# Altium PCB KPBT.758724.006.PcbDoc
Units mm, origin at the board's own origin, x right, y up, seen from the top; angles counter-clockwise.
Board outline 70 x 80 mm, 2 copper layers (Top Layer, Top, Bottom Layer, Bottom), stack 1.57 mm thick; 125 components, 71 nets, 356 pads, 52 vias.
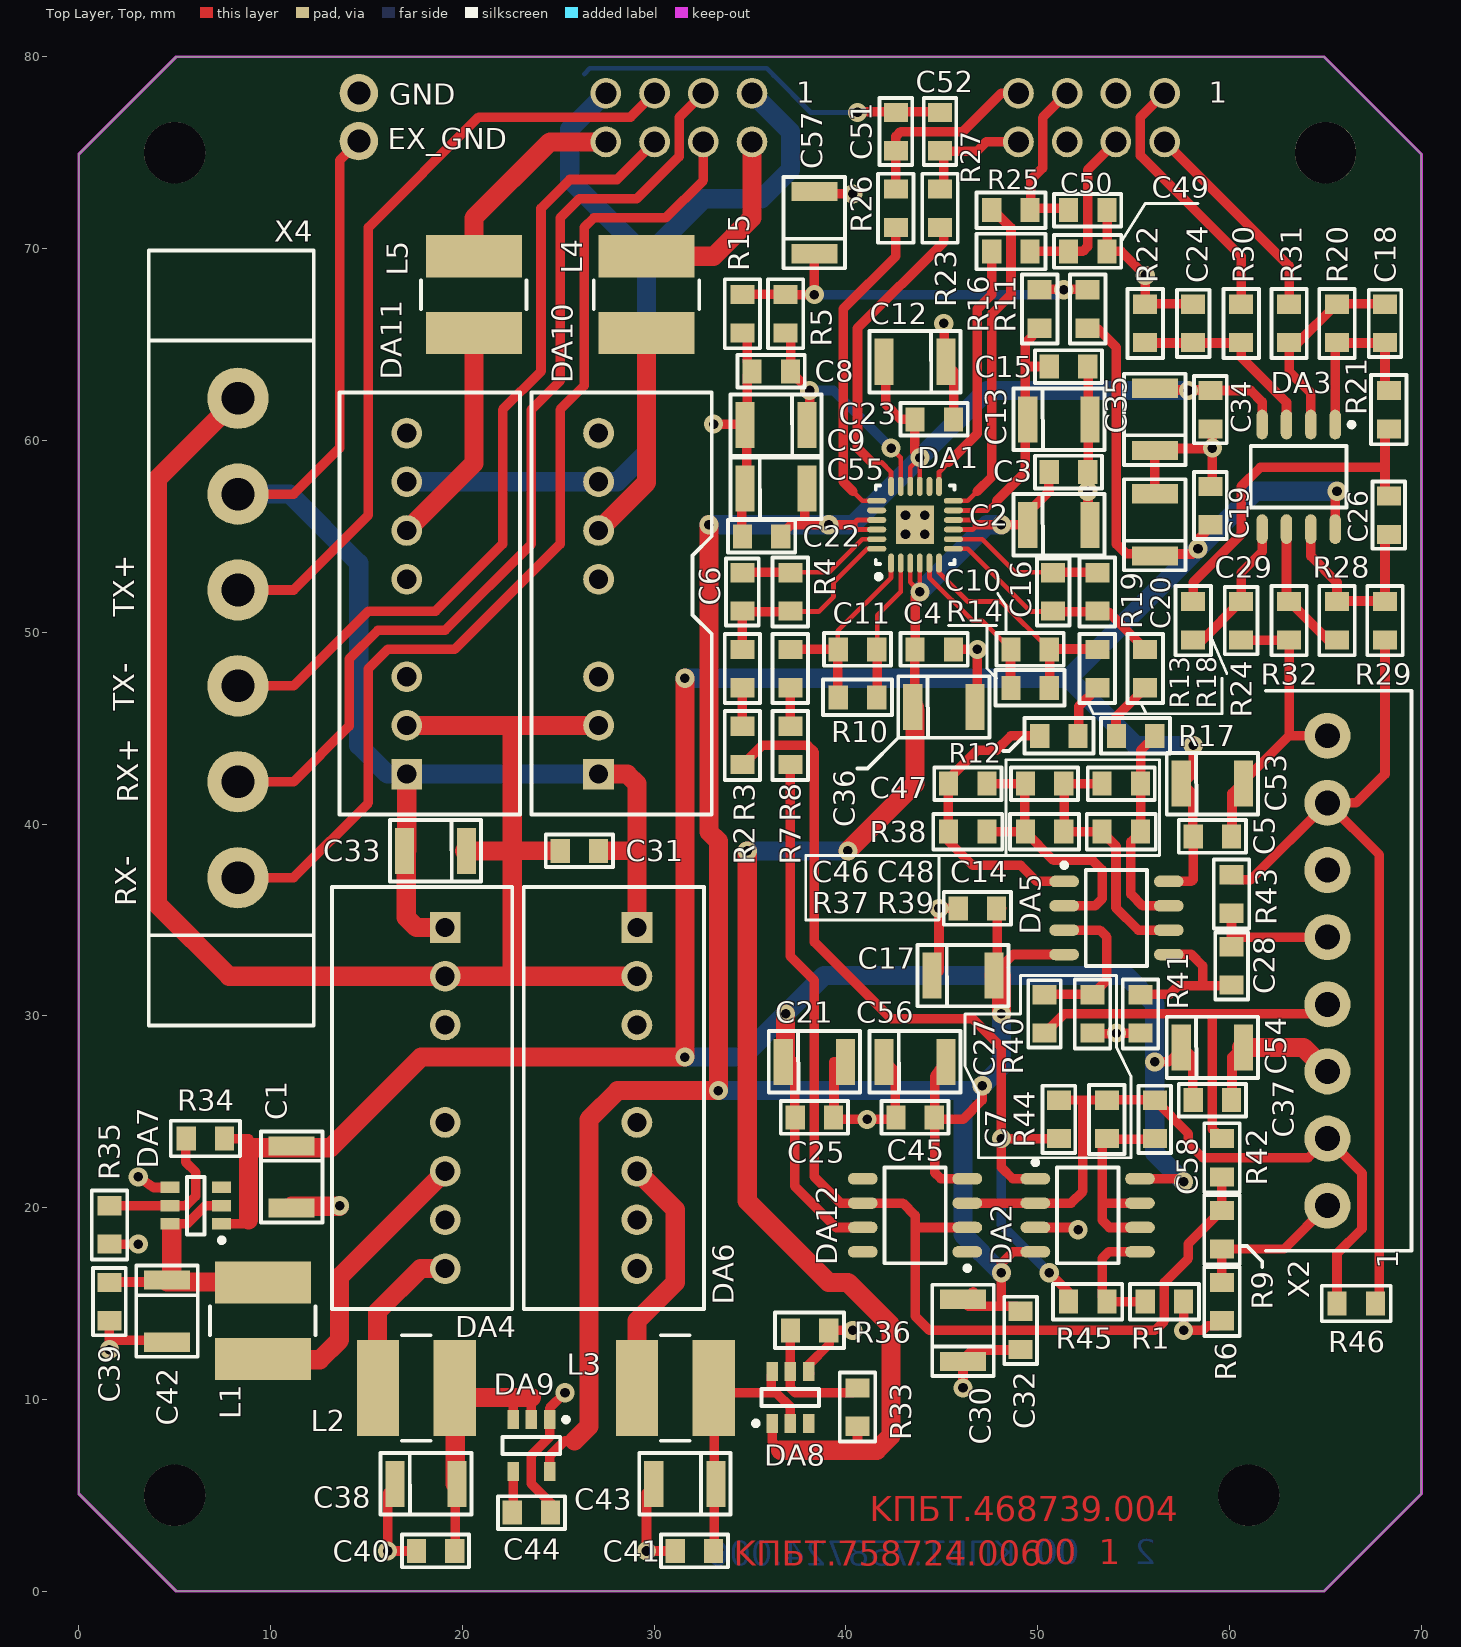
[diagram p0: Top Layer, Top view]
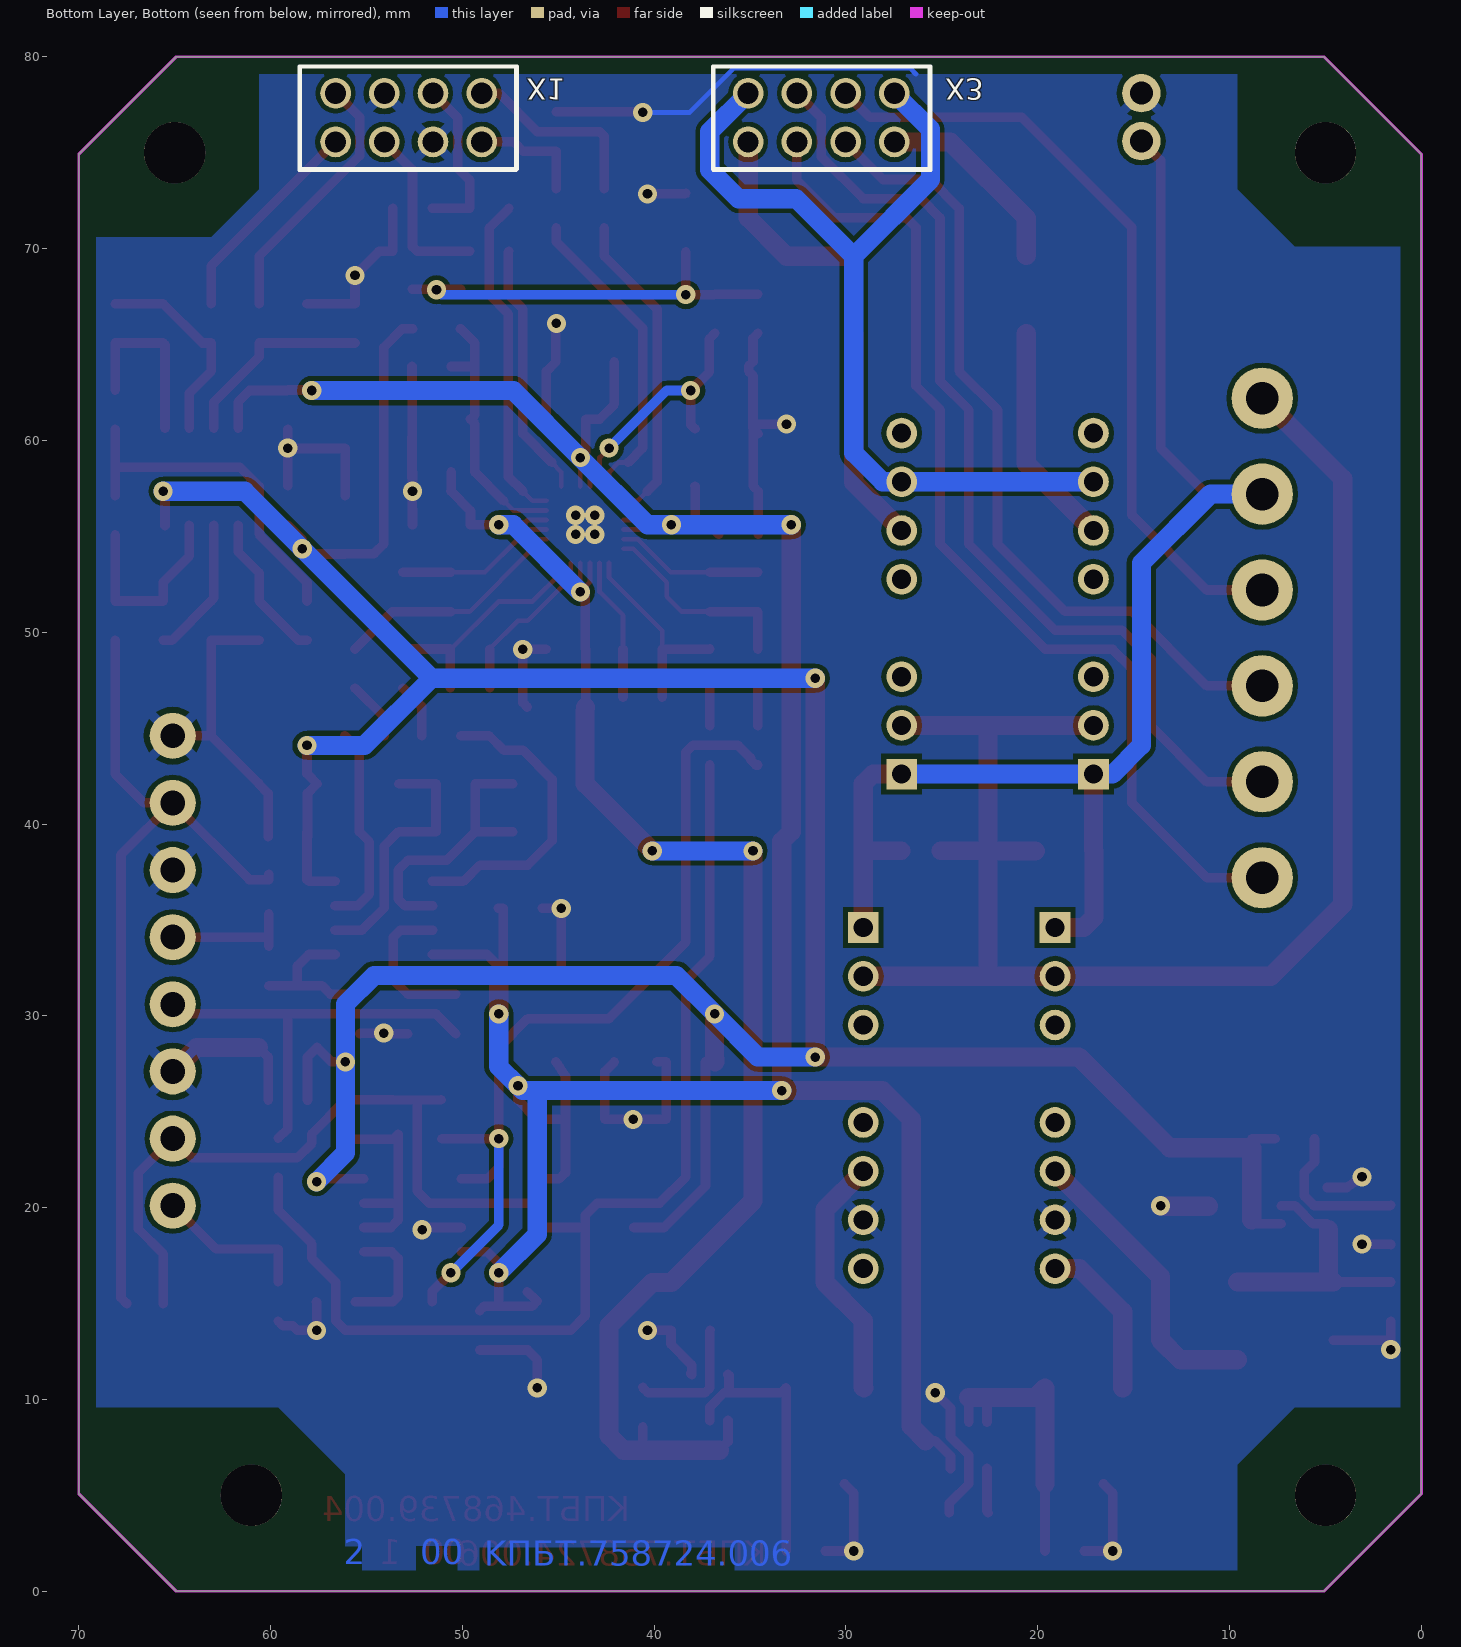
[diagram p1: Bottom Layer, Bottom view, seen from below]
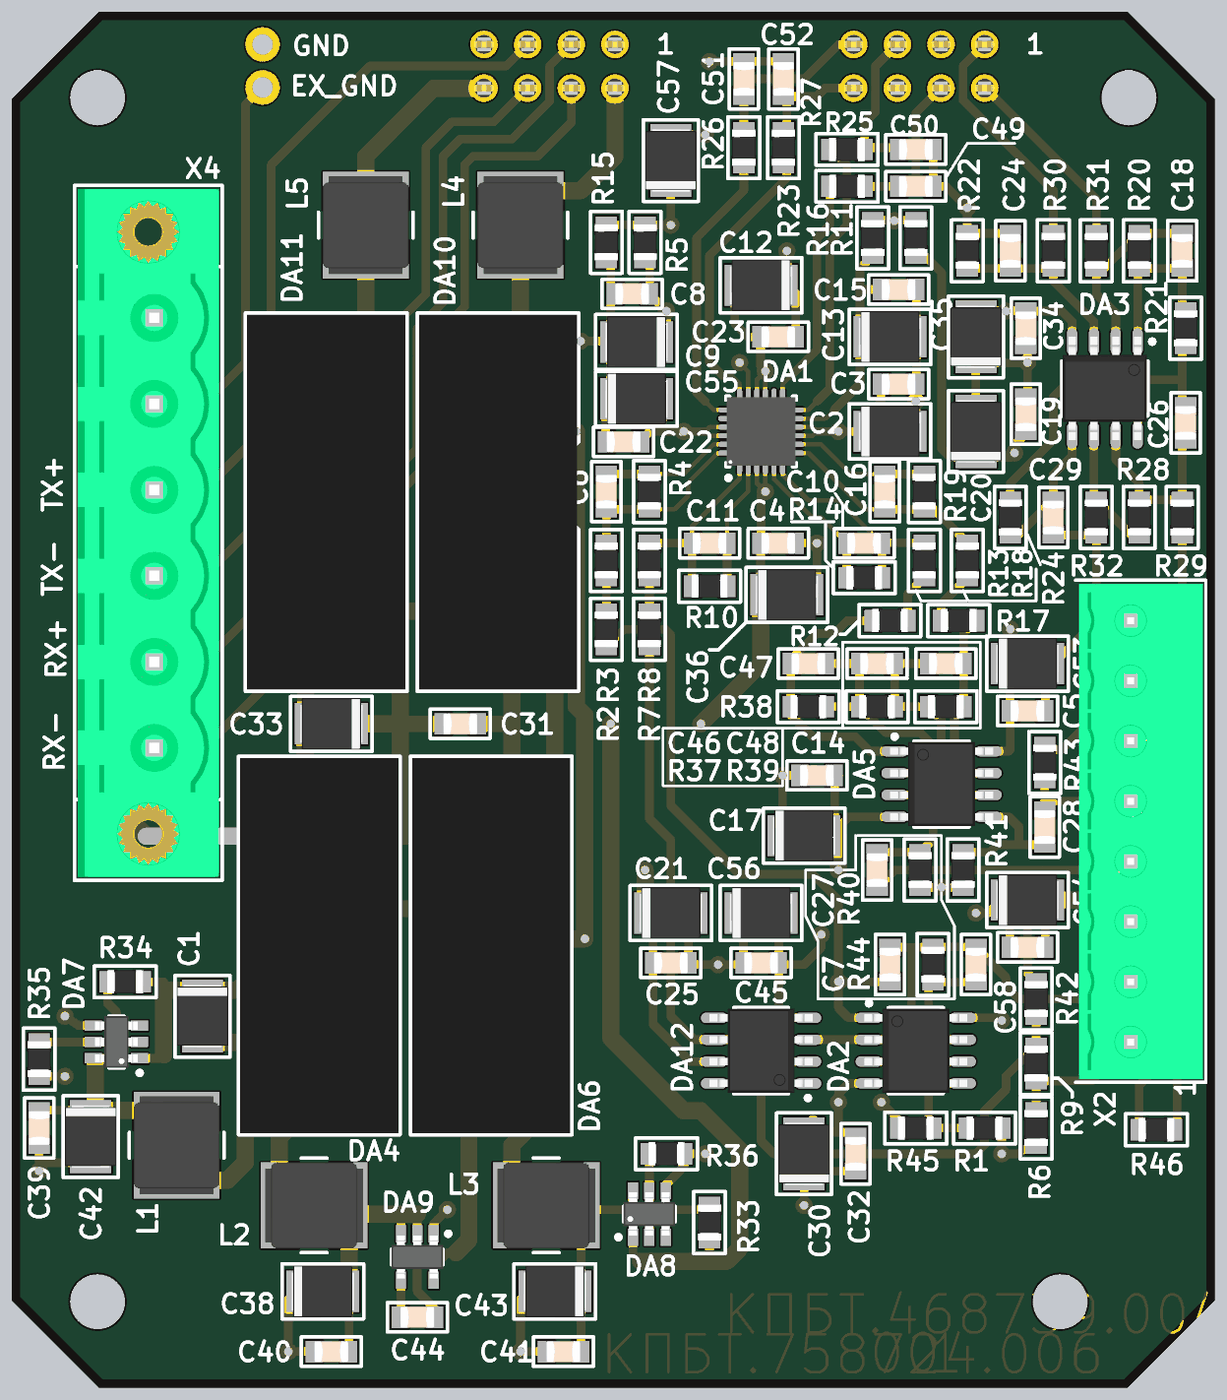
[diagram p2: 3D render of the assembled board from above, using the file's embedded part models]

## Layer stack, top to bottom
Top Solder, Top Mask: solder mask 0.01, Solder Resist, Dk 3.5
Top Layer, Top: signal copper 0.035
Dielectric 1: dielectric 1.5, FR-4, Dk 4.8
Bottom Layer, Bottom: signal copper 0.035
Bottom Solder, Bot Mask: solder mask 0.01, Solder Resist, Dk 3.5

## Board outline
0,5.08 0,74.92 5.08,80 64.92,80 70,74.92 70,5.08 64.92,0 5.08,0

## Design rules (kind name [scope] priority, off if disabled: settings)
Clearance Clearance_1 [InComponent('DA1')] p1: gap=0.25 ignorepadtopadclearanceinfootprint=FALSE except(0: Arc-Via Arc-Hole Track-Via Track-Hole SMDPad-Via SMDPad-Hole THPad-THPad THPad-Via THPad-Hole Via-Via Via-Hole Fill-Hole Poly-Hole Region-Hole Text-Hole; 0.2: Arc-Arc Arc-Track Arc-SMDPad Arc-THPad Track-Track Track-SMDPad Track-THPad SMDPad-SMDPad)
Clearance [All] p2: gap=0.25 ignorepadtopadclearanceinfootprint=FALSE except(0: Arc-Hole Track-Hole SMDPad-Hole THPad-Hole Via-Hole Fill-Hole Poly-Hole Region-Hole Text-Hole; 0.2: Arc-Arc Arc-Track Arc-THPad Arc-Via Track-Track Track-THPad Track-Via THPad-THPad THPad-Via Via-Via)
HoleSize [All] p1: absolutevalues=TRUE maxlimit=3.4 minlimit=0.025 maxpercent=80.000 minpercent=20.000
HoleToHoleClearance [All] p1: gap=0.2 allowstackedmicrovias=TRUE
MinimumSolderMaskSliver [All] p1: minsoldermaskwidth=0
PlaneClearance [All] p1: clearance=0.05
PolygonConnect PolygonConnect_2 [IsPolygon And InNet('GND') And OnLayer('Bottom Layer, Bottom') vs IsVia] p1: connectstyle=Direct reliefconductorwidth=0.25 reliefentries=4 polygonreliefangle="90 Angle" airgapwidth=0.254
PolygonConnect PolygonConnect_1 [IsPolygon And InNet('GND') And OnLayer('Bottom Layer, Bottom') vs IsPad] p2: connectstyle=Relief reliefconductorwidth=0.5 reliefentries=4 polygonreliefangle="45 Angle" airgapwidth=0.3
PolygonConnect [All] p3: connectstyle=Relief reliefconductorwidth=0.25 reliefentries=4 polygonreliefangle="90 Angle" airgapwidth=0.3
RoutingVias [All] p1: holewidth=0.5 width=1 viastyle="Through Hole" minholewidth=0.4 minwidth=0.8 maxholewidth=0.7 maxwidth=1.27
SilkToSilkClearance SilkToSilkClearance_1 [InComponent('R13') and InComponent('R18') and  InComponent('R24') and   InComponent('R25') and InComponent('R27') and InComponent('C50') and InComponent('C26') and InComponent('X1')] p1: silktosilkclearance=0
SilkToSilkClearance [All] p2: silktosilkclearance=0.01
SilkToSolderMaskClearance [All] p1: minsilkscreentomaskgap=0 clearancetoexposedcopper=TRUE
SolderMaskExpansion [All] p1: expansion=0.1 istentingtop=FALSE
Width [All] p1: maxlimit=1 minlimit=0.25 preferedwidth=0.5
24 further rules are at their usual default settings.

## Classes and differential pairs
component class Sheet2: C1 C2 C3 C4 C5 C6 C7 C8 C9 C10 C11 C12 C13 C14 C15 C16 C17 C18 C19 C20 C21 C22 C23 C24 C25 C26 C27 C28 C29 C30 C32 C34 C35 C36 C37 C45 C46 C47 C48 C49 C50 C51 C52 C53 C54 C55 C56 C57 C58 DA1 DA2 DA3 DA5 DA12 R1 R2 R3 R4 R5 R6 R7 R8 R9 R10 R11 R12 R13 R14 R15 R16 R17 R18 R19 R20 R21 R22 R23 R24 R25 R26 R27 R28 R29 R30 R31 R32 R37 R38 R39 R40 R41 R42 R43 R44 R45 R46 X2
component class Sheet1: C31 C33 C38 C39 C40 C41 C42 C43 C44 DA4 DA6 DA7 DA8 DA9 DA10 DA11 L1 L2 L3 L4 L5 R33 R34 R35 R36 X1 X3 X4

## Components (designator, comment, footprint, x,y, rotation, side; value= is the part's Value field where it differs from the comment)
C1 "=Value" "CAPT: tepy B" 11.1,21.6 r270 top
C2 "=Value" "CAPT: tepy B" 51.1,55.6 r0 top
C3 "" CAP:0805 51.6,58.35 r180 top
C4 "" CAP:0805 44.6,49.1 r180 top
C5 "" CAP:0805 59.1,39.35 r180 top
C6 "" CAP:0805 34.6,52.1 r270 top
C7 "" CAP:0805 51.1,24.6 r90 top
C8 "" CAP:0805 36.1,63.6 r0 top
C9 "=Value" "CAPT: tepy B" 36.35,60.8 r180 top
C10 "" CAP:0805 49.6,49.1 r0 top
C11 "" CAP:0805 40.6,49.1 r180 top
C12 "=Value" "CAPT: tepy B" 43.6,64.1 r180 top
C13 "=Value" "CAPT: tepy B" 51.1,61.1 r0 top
C14 "" CAP:0805 46.85,35.6 r180 top
C15 "" CAP:0805 51.6,63.85 r0 top
C16 "" CAP:0805 50.8,52.1 r90 top
C17 "=Value" "CAPT: tepy B" 46.1,32.1 r0 top
C18 "" CAP:0805 68.1,66.1 r90 top
C19 "" CAP:0805 59,56.6 r270 top
C20 "=Value" "CAPT: tepy B" 56.1,55.6 r90 top
C21 "=Value" "CAPT: tepy B" 38.35,27.6 r0 top
C22 "" CAP:0805 35.6,55 r180 top
C23 "" CAP:0805 44.6,61.1 r0 top
C24 "" CAP:0805 58.1,66.1 r90 top
C25 "" CAP:0805 38.35,24.7 r180 top
C26 "" CAP:0805 68.3,56.1 r90 top
C27 "" CAP:0805 50.35,30.1 r270 top
C28 "" CAP:0805 60.1,32.6 r90 top
C29 "" CAP:0805 60.6,50.6 r270 top
C30 "=Value" "CAPT: tepy B" 46.1,13.6 r90 top
C31 "" CAP:0805 26.1,38.6 r0 top
C32 "" CAP:0805 49.1,13.6 r270 top
C33 "=Value" "CAPT: tepy B" 18.6,38.6 r180 top
C34 "" CAP:0805 59,61.6 r270 top
C35 "=Value" "CAPT: tepy B" 56.1,61.1 r90 top
C36 "=Value" "CAPT: tepy B" 45.1,46.1 r0 top
C37 "" CAP:0805 59.1,25.6 r180 top
C38 "=Value" "CAPT: tepy B" 18.1,5.6 r0 top
C39 "" CAP:0805 1.6,15.1 r270 top
C40 "" CAP:0805 18.6,2.1 r0 top
C41 "" CAP:0805 32.1,2.1 r180 top
C42 "=Value" "CAPT: tepy B" 4.6,14.6 r270 top
C43 "=Value" "CAPT: tepy B" 31.6,5.6 r180 top
C44 "" CAP:0805 23.6,4.1 r0 top
C45 "" CAP:0805 43.6,24.7 r180 top
C46 "" CAP:0805 50.35,42.1 r0 top
C47 "" CAP:0805 46.35,42.1 r0 top
C48 "" CAP:0805 54.35,42.1 r0 top
C49 "" CAP:0805 52.6,69.85 r180 top
C50 "" CAP:0805 52.6,72 r0 top
C51 "" CAP:0805 42.6,76.1 r270 top
C52 "" CAP:0805 44.9,76.1 r90 top
C53 "=Value" "CAPT: tepy B" 59.1,42.1 r0 top
C54 "=Value" "CAPT: tepy B" 59.1,28.35 r0 top
C55 "=Value" "CAPT: tepy B" 36.35,57.5 r0 top
C56 "=Value" "CAPT: tepy B" 43.6,27.6 r0 top
C57 "=Value" "CAPT: tepy B" 38.35,71.35 r90 top
C58 "" CAP:0805 56.1,24.6 r90 top
DA1 "ADA4940-2ACPZ" LFCSP-24 43.6,55.6 r90 top
DA2 "ADA4891-2ARZ" SOIC-8 52.6,19.6 r0 top
DA3 "ADA4891-2ARZ" SOIC-8 63.6,58.1 r270 top
DA4 "AM2G1203DZ" SIP-8 19.1,25.71 r270 top
DA5 "ADA4891-2ARZ" SOIC-8 54.1,35.1 r0 top
DA6 "AM2G1205SZ" SIP-8 29.1,25.71 r270 top
DA7 "ADP3331ART" SOT23-6 6.1,20.1 r180 top
DA8 "ADP3331ART" SOT23-6 37.1,10.1 r90 top
DA9 "TPS72325DBVT" SOT23-5 23.6,7.6 r270 top
DA10 "AM2G1203SZ" SIP-8 27.1,51.49 r90 top
DA11 "AM2G1203SZ" SIP-8 17.1,51.49 r90 top
DA12 "ADA4891-1ARZ" SOIC-8 43.6,19.6 r180 top
L1 "" LQH55DNxxM03 9.6,14.1 r90 top
L2 "" LQH55DNxxM03 17.6,10.6 r0 top
L3 "" LQH55DNxxM03 31.1,10.6 r0 top
L4 "" LQH55DNxxM03 29.6,67.6 r90 top
L5 "" LQH55DNxxM03 20.6,67.6 r90 top
R1 "" RES:0805 56.6,15.1 r180 top
R2 "" RES:0805 34.6,44.1 r270 top
R3 "" RES:0805 34.6,48.1 r270 top
R4 "" RES:0805 37.1,52.1 r270 top
R5 "" RES:0805 36.85,66.6 r90 top
R6 "" RES:0805 59.6,15.1 r270 top
R7 "" RES:0805 37.1,44.1 r270 top
R8 "" RES:0805 37.1,48.1 r270 top
R9 "" RES:0805 59.6,18.85 r270 top
R10 "" RES:0805 40.6,46.6 r180 top
R11 "" RES:0805 52.6,66.85 r270 top
R12 "" RES:0805 51.1,44.6 r180 top
R13 "" RES:0805 53.1,48.1 r270 top
R14 "" RES:0805 49.6,47.1 r0 top
R15 "" RES:0805 34.6,66.6 r270 top
R16 "" RES:0805 50.1,66.85 r90 top
R17 "" RES:0805 55.1,44.6 r0 top
R18 "" RES:0805 55.6,48.1 r270 top
R19 "" RES:0805 53.1,52.1 r270 top
R20 "" RES:0805 65.6,66.1 r90 top
R21 "" RES:0805 68.3,61.6 r270 top
R22 "" RES:0805 55.6,66.1 r90 top
R23 "" RES:0805 48.6,69.85 r180 top
R24 "" RES:0805 58.1,50.6 r90 top
R25 "" RES:0805 48.6,72 r180 top
R26 "" RES:0805 42.6,72.1 r270 top
R27 "" RES:0805 44.9,72.1 r270 top
R28 "" RES:0805 65.6,50.6 r90 top
R29 "" RES:0805 68.1,50.6 r270 top
R30 "" RES:0805 60.6,66.1 r270 top
R31 "" RES:0805 63.1,66.1 r270 top
R32 "" RES:0805 63.1,50.6 r270 top
R33 "" RES:0805 40.6,9.6 r270 top
R34 "" RES:0805 6.6,23.6 r0 top
R35 "" RES:0805 1.6,19.1 r270 top
R36 "" RES:0805 38.1,13.6 r0 top
R37 "" RES:0805 50.35,39.6 r0 top
R38 "" RES:0805 46.35,39.6 r0 top
R39 "" RES:0805 54.35,39.6 r0 top
R40 "" RES:0805 52.85,30.1 r270 top
R41 "" RES:0805 55.35,30.1 r270 top
R42 "" RES:0805 59.6,22.6 r270 top
R43 "" RES:0805 60.1,36.35 r270 top
R44 "" RES:0805 53.6,24.6 r90 top
R45 "" RES:0805 52.6,15.1 r180 top
R46 "" RES:0805 66.6,15 r180 top
X1 "PBS-8" PBS-8 52.8,76.83 r180 bottom
X2 "" 15EDGVC-3.5-08P-14-00AH 65.1,32.35 r90 top
X3 "PBS-8" PBS-8 31.29,76.83 r180 bottom
X4 "" 2EDGVM-5.0-06P-14-00AH 8.3,49.7 r270 top
